# Altium PCB PCB1.pcbdoc (part 3 of 4)
Units mm, origin at the board's own origin, x right, y up, seen from the top; angles counter-clockwise.
Board outline 94.87 x 122.94 mm, 4 copper layers (Top Layer, Inner1, Inner2, Bottom Layer); 129 components, 127 nets, 713 pads, 345 vias.
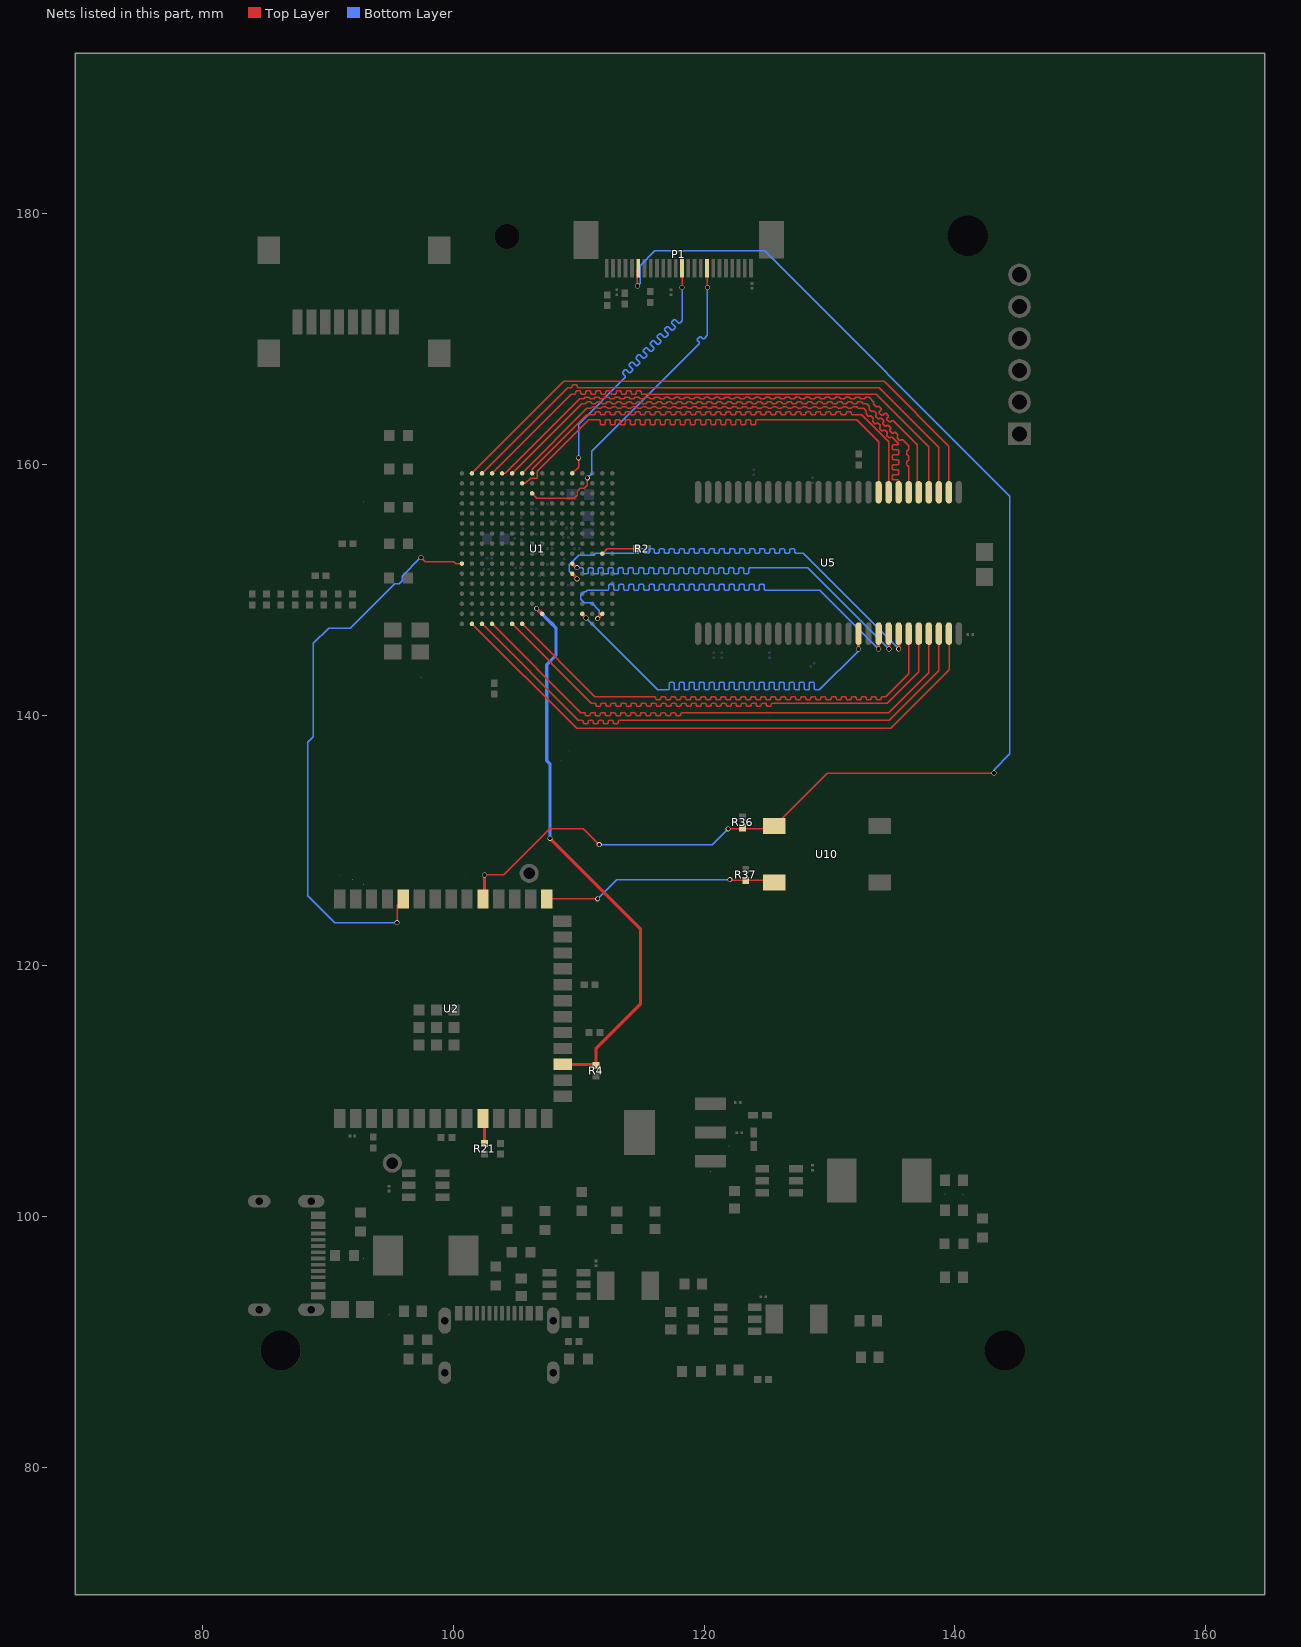
[diagram p5: the nets of this part, all layers, seen from the top]

## Via types
v1: diameter 0.4, hole 0.3, Top Layer to Bottom Layer, 308 vias
v2: diameter 1, hole 0.5, Top Layer to Bottom Layer, 35 vias
v3: diameter 0.5, hole 0.3, Top Layer to Bottom Layer, 2 vias

## Nets (pads, with @x,y where several pads share a name; then routed paths per layer and width w, separated by ;. In a path a pad name is that pad's centre, name@x,y a point inside that pad or via, vN(x,y) a via of type N, cw(c..) or ccw(c..) an arc to the next point about the centre after c; other vN are vias at no path point) (continued)
MCLK: P1.13 U1.A12 | length 27.1
  Top Layer w0.1: U1.A12@109.48,159.289 109.982,159.791 v1(109.982,160.528) ; v1(118.237,174.117) P1.13@118.237,175.655
  Bottom Layer w0.1: v1(109.982,160.528) 109.982,163.195 113.727,166.94 113.727,167.04 113.496,167.271 113.496,167.371 113.679,167.554 113.779,167.554 114.01,167.323 114.11,167.323 114.293,167.506 114.293,167.606 114.012,167.887 114.012,167.987 114.195,168.17 114.295,168.17 114.576,167.889 114.676,167.889 114.858,168.071 114.858,168.171 114.577,168.452 114.577,168.552 114.76,168.735 114.86,168.735 115.141,168.454 115.241,168.454 115.424,168.637 115.424,168.737 115.143,169.018 115.143,169.118 115.326,169.301 115.426,169.301 115.707,169.02 115.807,169.02 115.99,169.203 115.99,169.303 115.709,169.584 115.709,169.684 115.892,169.867 115.992,169.867 116.273,169.586 116.373,169.586 116.555,169.768 116.555,169.868 116.274,170.149 116.274,170.249 116.457,170.432 116.557,170.432 116.838,170.151 116.938,170.151 117.121,170.334 117.121,170.434 116.84,170.715 116.84,170.815 117.023,170.998 117.123,170.998 117.404,170.717 117.504,170.717 117.687,170.9 117.687,171 117.406,171.281 117.406,171.381 117.589,171.564 117.689,171.564 117.97,171.283 118.07,171.283 118.237,171.45 v1(118.237,174.117)
PCLK: P1.17 U1.C8 | length 27
  Top Layer w0.1: U1.C8@106.28,157.689 106.662,157.307 109.638,157.307 109.862,157.531 109.862,157.847 110.122,158.107 110.438,158.107 110.662,158.331 110.662,158.647 110.68,158.665 v1(110.68,158.937) ; P1.17@120.237,175.656 120.269,175.624 v1(120.269,174.117)
  Bottom Layer w0.1: v1(110.68,158.937) 111.019,159.276 111.019,161.057 119.609,169.647 119.609,169.747 119.455,169.901 119.455,170.001 119.637,170.183 119.737,170.183 119.891,170.029 119.991,170.029 120.269,170.307 v1(120.269,174.117)
PROGRAM: R37.1 U2.27 U10.3 | length 18.9
  Top Layer w0.1: U2.27@107.437,125.336 111.493,125.336 v1(111.506,125.349) ; v1(122.047,126.873) 122.099,126.821 R37.1@123.317,126.821 125.428,126.821 U10.3@125.594,126.655
  Bottom Layer w0.1: v1(111.506,125.349) 113.03,126.873 v1(122.047,126.873)
PROGRAMN: pad.55@107.442,136.377 R4.2 U1.R9 U2.17 | length 45.1
  Top Layer w0.254: v1(106.643,148.5) 106.669,148.5 U1.R9@107.08,148.089 ; v1(107.696,130.175) 114.935,122.936 114.935,116.984 111.379,113.428 R4.2@111.379,112.066 111.304,112.141 U2.17@108.844,112.141
  Bottom Layer w0.254: v1(106.643,148.5) 108.175,146.968 108.175,144.758 107.442,144.025 pad.55@107.442,136.377 107.696,136.123 v1(107.696,130.175)
RESET: P1.6 R36.1 U2.31 U10.1 | length 110.8
  Top Layer w0.1: v1(102.484,127.254) 104.013,127.254 107.696,130.937 110.363,130.937 v1(111.633,129.667) ; v1(114.681,174.244) 114.681,175.599 P1.6@114.738,175.655 ; v1(121.92,130.937) 125.376,130.937 U10.1@125.594,131.155 129.821,135.382 v1(143.129,135.382)
  Top Layer w0.254: U2.31@102.484,125.336 v1(102.484,127.254)
  Bottom Layer w0.1: v1(111.633,129.667) 120.65,129.667 v1(121.92,130.937) ; v1(114.681,174.244) 114.907,174.47 114.907,175.867 116.078,177.038 124.841,177.038 144.399,157.48 144.399,136.906 143.129,135.636 v1(143.129,135.382)
RX: U1.K1 U2.36 | length 45.5
  Top Layer w0.1: v1(95.504,123.444) 95.504,124.833 U2.36@96.007,125.336 ; v1(97.41,152.582) 97.738,152.254 100.037,152.254 100.202,152.089 U1.K1@100.68,152.089
  Bottom Layer w0.1: v1(95.504,123.444) 90.551,123.444 88.392,125.603 88.392,137.831 88.832,138.271 88.832,145.728 90.043,146.939 91.767,146.939 95.302,150.474 95.671,150.474 95.906,150.709 95.906,151.078 v1(97.41,152.582)
SCL: R21.1 U2.10 | length 1.9
  Top Layer w0.254: U2.10@102.484,107.836 102.489,107.831 R21.1@102.489,105.918
SD_A0: U1.T6 U5.23 | length 45.3
  Top Layer w0.1: U1.T6@104.68,147.289 110.999,140.97 111.299,140.97 111.37,140.899 111.37,140.787 111.44,140.716 111.699,140.716 111.77,140.787 111.77,140.899 111.84,140.97 112.099,140.97 112.17,140.899 112.17,140.787 112.24,140.716 112.499,140.716 112.57,140.787 112.57,140.899 112.64,140.97 112.899,140.97 112.97,140.899 112.97,140.787 113.04,140.716 113.299,140.716 113.37,140.787 113.37,140.899 113.44,140.97 113.699,140.97 113.77,140.899 113.77,140.787 113.84,140.716 114.099,140.716 114.17,140.787 114.17,140.899 114.24,140.97 114.499,140.97 114.57,140.899 114.57,140.787 114.64,140.716 114.899,140.716 114.97,140.787 114.97,140.899 115.04,140.97 115.299,140.97 115.37,140.899 115.37,140.787 115.44,140.716 115.699,140.716 115.77,140.787 115.77,140.899 115.84,140.97 116.099,140.97 116.17,140.899 116.17,140.787 116.24,140.716 116.499,140.716 116.57,140.787 116.57,140.899 116.64,140.97 116.899,140.97 116.97,140.899 116.97,140.787 117.04,140.716 117.299,140.716 117.37,140.787 117.37,140.899 117.44,140.97 117.699,140.97 117.77,140.899 117.77,140.787 117.84,140.716 118.099,140.716 118.17,140.787 118.17,140.899 118.24,140.97 118.499,140.97 118.57,140.899 118.57,140.787 118.64,140.716 118.899,140.716 118.97,140.787 118.97,140.899 119.04,140.97 119.299,140.97 119.37,140.899 119.37,140.787 119.44,140.716 119.699,140.716 119.77,140.787 119.77,140.899 119.84,140.97 120.099,140.97 120.17,140.899 120.17,140.787 120.24,140.716 120.499,140.716 120.57,140.787 120.57,140.899 120.64,140.97 120.899,140.97 120.97,140.899 120.97,140.787 121.04,140.716 121.299,140.716 121.37,140.787 121.37,140.899 121.44,140.97 121.699,140.97 121.77,140.899 121.77,140.787 121.84,140.716 122.099,140.716 122.17,140.787 122.17,140.899 122.24,140.97 122.499,140.97 122.57,140.899 122.57,140.787 122.64,140.716 122.899,140.716 122.97,140.787 122.97,140.899 123.04,140.97 123.299,140.97 123.37,140.899 123.37,140.787 123.44,140.716 123.699,140.716 123.77,140.787 123.77,140.899 123.84,140.97 124.099,140.97 124.17,140.899 124.17,140.787 124.24,140.716 124.499,140.716 124.57,140.787 124.57,140.899 124.64,140.97 124.899,140.97 124.97,140.899 124.97,140.787 125.04,140.716 125.299,140.716 125.37,140.787 125.37,140.899 125.44,140.97 134.62,140.97 137.121,143.471 U5.23@137.121,146.504
SD_A1: U1.T4 U5.24 | length 45.6
  Top Layer w0.1: U1.T4@103.08,147.289 110.161,140.208 110.461,140.208 110.532,140.137 110.532,140.025 110.602,139.954 110.861,139.954 110.932,140.025 110.932,140.137 111.002,140.208 111.261,140.208 111.332,140.137 111.332,140.025 111.402,139.954 111.661,139.954 111.732,140.025 111.732,140.137 111.802,140.208 112.061,140.208 112.132,140.137 112.132,140.025 112.202,139.954 112.461,139.954 112.532,140.025 112.532,140.137 112.602,140.208 112.861,140.208 112.932,140.137 112.932,140.025 113.002,139.954 113.261,139.954 113.332,140.025 113.332,140.137 113.402,140.208 113.661,140.208 113.732,140.137 113.732,140.025 113.802,139.954 114.061,139.954 114.132,140.025 114.132,140.137 114.202,140.208 114.461,140.208 114.532,140.137 114.532,140.025 114.602,139.954 114.861,139.954 114.932,140.025 114.932,140.137 115.002,140.208 115.261,140.208 115.332,140.137 115.332,140.025 115.402,139.954 115.661,139.954 115.732,140.025 115.732,140.137 115.802,140.208 116.061,140.208 116.132,140.137 116.132,140.025 116.202,139.954 116.461,139.954 116.532,140.025 116.532,140.137 116.602,140.208 116.861,140.208 116.932,140.137 116.932,140.025 117.002,139.954 117.261,139.954 117.332,140.025 117.332,140.137 117.402,140.208 117.661,140.208 117.732,140.137 117.732,140.025 117.802,139.954 118.061,139.954 118.132,140.025 118.132,140.137 118.202,140.208 134.747,140.208 137.922,143.383 U5.24@137.922,146.503
SD_A2: U1.T3 U5.25 | length 45.9
  Top Layer w0.1: U1.T3@102.28,147.289 109.959,139.61 110.282,139.61 110.353,139.539 110.353,139.39 110.423,139.319 110.682,139.319 110.753,139.39 110.753,139.539 110.823,139.61 111.082,139.61 111.153,139.539 111.153,139.39 111.223,139.319 111.482,139.319 111.553,139.39 111.553,139.539 111.623,139.61 111.882,139.61 111.953,139.539 111.953,139.39 112.023,139.319 112.282,139.319 112.353,139.39 112.353,139.539 112.423,139.61 112.682,139.61 112.753,139.539 112.753,139.39 112.823,139.319 113.082,139.319 113.153,139.39 113.153,139.539 113.223,139.61 134.784,139.61 138.721,143.547 U5.25@138.721,146.504
SD_A3: U1.T2 U5.26 | length 46.4
  Top Layer w0.1: U1.T2@101.48,147.289 109.831,138.938 134.874,138.938 139.573,143.637 139.573,146.452 U5.26@139.521,146.504
SD_A4: U1.A2 U5.29 | length 46.9
  Top Layer w0.1: U1.A2@101.48,159.289 108.815,166.624 134.366,166.624 139.521,161.469 U5.29@139.521,157.788
SD_A5: U1.A3 U5.30 | length 45.2
  Top Layer w0.1: U1.A3@102.28,159.289 109.107,166.116 109.407,166.116 109.478,166.187 109.478,166.299 109.548,166.37 109.807,166.37 109.878,166.299 109.878,166.187 109.948,166.116 133.985,166.116 138.721,161.38 U5.30@138.721,157.788
SD_A6: U1.A4 U5.31 | length 45.2
  Top Layer w0.1: U1.A4@103.08,159.289 109.399,165.608 109.699,165.608 109.77,165.679 109.77,165.791 109.84,165.862 110.099,165.862 110.17,165.791 110.17,165.679 110.24,165.608 110.499,165.608 110.57,165.679 110.57,165.791 110.64,165.862 110.899,165.862 110.97,165.791 110.97,165.679 111.04,165.608 111.299,165.608 111.37,165.679 111.37,165.791 111.44,165.862 111.699,165.862 111.77,165.791 111.77,165.679 111.84,165.608 112.099,165.608 112.17,165.679 112.17,165.791 112.24,165.862 112.499,165.862 112.57,165.791 112.57,165.679 112.64,165.608 112.899,165.608 112.97,165.679 112.97,165.791 113.04,165.862 113.299,165.862 113.37,165.791 113.37,165.679 113.44,165.608 113.699,165.608 113.77,165.679 113.77,165.791 113.84,165.862 114.099,165.862 114.17,165.791 114.17,165.679 114.24,165.608 114.499,165.608 114.57,165.679 114.57,165.791 114.64,165.862 114.899,165.862 114.97,165.791 114.97,165.679 115.04,165.608 133.731,165.608 137.921,161.418 U5.31@137.921,157.788
SD_A7: U1.A5 U5.32 | length 45.1
  Top Layer w0.1: U1.A5@103.88,159.289 104.14,159.289 110.078,165.227 110.378,165.227 110.505,165.354 110.778,165.354 110.905,165.227 111.178,165.227 111.305,165.354 111.578,165.354 111.705,165.227 111.978,165.227 112.105,165.354 112.378,165.354 112.505,165.227 112.778,165.227 112.905,165.354 113.178,165.354 113.305,165.227 113.578,165.227 113.705,165.354 113.978,165.354 114.105,165.227 114.378,165.227 114.505,165.354 114.778,165.354 114.905,165.227 115.178,165.227 115.305,165.354 115.578,165.354 115.705,165.227 115.978,165.227 116.105,165.354 116.378,165.354 116.505,165.227 116.778,165.227 116.905,165.354 117.178,165.354 117.305,165.227 117.578,165.227 117.705,165.354 117.978,165.354 118.105,165.227 118.378,165.227 118.505,165.354 118.778,165.354 118.905,165.227 119.178,165.227 119.305,165.354 119.578,165.354 119.705,165.227 119.978,165.227 120.105,165.354 120.378,165.354 120.505,165.227 120.778,165.227 120.905,165.354 121.178,165.354 121.305,165.227 121.578,165.227 121.705,165.354 121.978,165.354 122.105,165.227 122.378,165.227 122.505,165.354 122.778,165.354 122.905,165.227 123.178,165.227 123.305,165.354 123.578,165.354 123.705,165.227 123.978,165.227 124.105,165.354 124.378,165.354 124.505,165.227 124.778,165.227 124.905,165.354 125.178,165.354 125.305,165.227 125.578,165.227 125.705,165.354 125.978,165.354 126.105,165.227 126.378,165.227 126.505,165.354 126.778,165.354 126.905,165.227 127.178,165.227 127.305,165.354 127.578,165.354 127.705,165.227 127.978,165.227 128.105,165.354 128.378,165.354 128.505,165.227 128.778,165.227 128.905,165.354 129.178,165.354 129.305,165.227 129.578,165.227 129.705,165.354 129.978,165.354 130.105,165.227 130.378,165.227 130.505,165.354 130.778,165.354 130.905,165.227 131.178,165.227 131.305,165.354 131.578,165.354 131.705,165.227 131.978,165.227 132.105,165.354 132.378,165.354 132.505,165.227 132.778,165.227 132.905,165.354 133.178,165.354 133.55,164.982 133.55,164.803 133.733,164.62 133.833,164.62 133.845,164.632 133.945,164.632 134.128,164.449 134.128,164.349 133.974,164.195 133.974,164.095 134.156,163.912 134.256,163.912 134.411,164.066 134.511,164.066 134.694,163.883 134.694,163.783 134.588,163.678 134.588,163.578 134.771,163.395 134.871,163.395 134.976,163.501 135.076,163.501 136.994,161.583 136.994,157.915 U5.32@137.121,157.788
SD_A8: U1.A6 U5.33 | length 44.4
  Top Layer w0.1: U1.A6@104.68,159.289 110.237,164.846 110.537,164.846 110.608,164.917 110.608,164.927 110.678,164.998 110.937,164.998 111.008,164.927 111.008,164.917 111.078,164.846 111.337,164.846 111.408,164.917 111.408,164.927 111.478,164.998 111.737,164.998 111.808,164.927 111.808,164.917 111.878,164.846 112.137,164.846 112.208,164.917 112.208,164.927 112.278,164.998 112.537,164.998 112.608,164.927 112.608,164.917 112.678,164.846 112.937,164.846 113.008,164.917 113.008,164.927 113.078,164.998 113.337,164.998 113.408,164.927 113.408,164.917 113.478,164.846 113.737,164.846 113.808,164.917 113.808,164.927 113.878,164.998 114.137,164.998 114.208,164.927 114.208,164.917 114.278,164.846 114.537,164.846 114.608,164.917 114.608,164.927 114.678,164.998 114.937,164.998 115.008,164.927 115.008,164.917 115.078,164.846 115.337,164.846 115.408,164.917 115.408,164.927 115.478,164.998 115.737,164.998 115.808,164.927 115.808,164.917 115.878,164.846 116.137,164.846 116.208,164.917 116.208,164.927 116.278,164.998 116.537,164.998 116.608,164.927 116.608,164.917 116.678,164.846 116.937,164.846 117.008,164.917 117.008,164.927 117.078,164.998 117.337,164.998 117.408,164.927 117.408,164.917 117.478,164.846 117.737,164.846 117.808,164.917 117.808,164.927 117.878,164.998 118.137,164.998 118.208,164.927 118.208,164.917 118.278,164.846 118.537,164.846 118.608,164.917 118.608,164.927 118.678,164.998 118.937,164.998 119.008,164.927 119.008,164.917 119.078,164.846 119.337,164.846 119.408,164.917 119.408,164.927 119.478,164.998 119.737,164.998 119.808,164.927 119.808,164.917 119.878,164.846 120.137,164.846 120.208,164.917 120.208,164.927 120.278,164.998 120.537,164.998 120.608,164.927 120.608,164.917 120.678,164.846 120.937,164.846 121.008,164.917 121.008,164.927 121.078,164.998 121.337,164.998 121.408,164.927 121.408,164.917 121.478,164.846 121.737,164.846 121.808,164.917 121.808,164.927 121.878,164.998 122.137,164.998 122.208,164.927 122.208,164.917 122.278,164.846 122.537,164.846 122.608,164.917 122.608,164.927 122.678,164.998 122.937,164.998 123.008,164.927 123.008,164.917 123.078,164.846 123.337,164.846 123.408,164.917 123.408,164.927 123.478,164.998 123.737,164.998 123.808,164.927 123.808,164.917 123.878,164.846 124.137,164.846 124.208,164.917 124.208,164.927 124.278,164.998 124.537,164.998 124.608,164.927 124.608,164.917 124.678,164.846 124.937,164.846 125.008,164.917 125.008,164.927 125.078,164.998 125.337,164.998 125.408,164.927 125.408,164.917 125.478,164.846 125.737,164.846 125.808,164.917 125.808,164.927 125.878,164.998 126.137,164.998 126.208,164.927 126.208,164.917 126.278,164.846 126.537,164.846 126.608,164.917 126.608,164.927 126.678,164.998 126.937,164.998 127.008,164.927 127.008,164.917 127.078,164.846 127.337,164.846 127.408,164.917 127.408,164.927 127.478,164.998 127.737,164.998 127.808,164.927 127.808,164.917 127.878,164.846 128.137,164.846 128.208,164.917 128.208,164.927 128.278,164.998 128.537,164.998 128.608,164.927 128.608,164.917 128.678,164.846 128.937,164.846 129.008,164.917 129.008,164.927 129.078,164.998 129.337,164.998 129.408,164.927 129.408,164.917 129.478,164.846 129.737,164.846 129.808,164.917 129.808,164.927 129.878,164.998 130.137,164.998 130.208,164.927 130.208,164.917 130.278,164.846 130.537,164.846 130.608,164.917 130.608,164.927 130.678,164.998 130.937,164.998 131.008,164.927 131.008,164.917 131.078,164.846 131.337,164.846 131.408,164.917 131.408,164.927 131.478,164.998 131.737,164.998 131.808,164.927 131.808,164.917 131.878,164.846 132.137,164.846 132.208,164.917 132.208,164.927 132.278,164.998 132.537,164.998 132.608,164.927 132.608,164.917 132.678,164.846 132.969,164.846 133.181,164.634 133.181,164.534 133.169,164.522 133.169,164.422 133.352,164.239 133.452,164.239 133.464,164.251 133.564,164.251 133.747,164.068 133.747,163.968 133.691,163.913 133.691,163.813 133.874,163.63 133.974,163.63 134.03,163.685 134.13,163.685 134.313,163.502 134.313,163.402 134.257,163.347 134.257,163.247 134.44,163.064 134.54,163.064 134.595,163.12 134.695,163.12 134.878,162.937 134.878,162.837 134.823,162.781 134.823,162.681 135.006,162.499 135.106,162.499 135.161,162.554 135.261,162.554 135.444,162.371 135.444,162.271 135.397,162.225 135.397,162.125 135.58,161.942 135.68,161.942 135.727,161.988 135.827,161.988 136.321,161.494 136.321,161.194 136.25,161.123 136.233,161.123 136.162,161.053 136.162,160.794 136.233,160.723 136.25,160.723 136.321,160.653 136.321,160.353 136.25,160.282 136.233,160.282 136.162,160.211 136.162,159.953 136.233,159.882 136.25,159.882 136.321,159.811 U5.33@136.321,157.788
SD_A9: U1.A7 U5.34 | length 45.4
  Top Layer w0.1: U1.A7@105.48,159.289 110.656,164.465 110.956,164.465 111.027,164.536 111.027,164.546 111.098,164.617 111.356,164.617 111.427,164.546 111.427,164.536 111.498,164.465 111.756,164.465 111.827,164.536 111.827,164.546 111.898,164.617 112.156,164.617 112.227,164.546 112.227,164.536 112.298,164.465 112.556,164.465 112.627,164.536 112.627,164.546 112.698,164.617 112.956,164.617 113.027,164.546 113.027,164.536 113.098,164.465 113.356,164.465 113.427,164.536 113.427,164.546 113.498,164.617 113.756,164.617 113.827,164.546 113.827,164.536 113.898,164.465 114.156,164.465 114.227,164.536 114.227,164.546 114.298,164.617 114.556,164.617 114.627,164.546 114.627,164.536 114.698,164.465 114.956,164.465 115.027,164.536 115.027,164.546 115.098,164.617 115.356,164.617 115.427,164.546 115.427,164.536 115.498,164.465 115.756,164.465 115.827,164.536 115.827,164.546 115.898,164.617 116.156,164.617 116.227,164.546 116.227,164.536 116.298,164.465 116.556,164.465 116.627,164.536 116.627,164.546 116.698,164.617 116.956,164.617 117.027,164.546 117.027,164.536 117.098,164.465 117.356,164.465 117.427,164.536 117.427,164.546 117.498,164.617 117.756,164.617 117.827,164.546 117.827,164.536 117.898,164.465 118.156,164.465 118.227,164.536 118.227,164.546 118.298,164.617 118.556,164.617 118.627,164.546 118.627,164.536 118.698,164.465 118.956,164.465 119.027,164.536 119.027,164.546 119.098,164.617 119.356,164.617 119.427,164.546 119.427,164.536 119.498,164.465 119.756,164.465 119.827,164.536 119.827,164.546 119.898,164.617 120.156,164.617 120.227,164.546 120.227,164.536 120.298,164.465 120.556,164.465 120.627,164.536 120.627,164.546 120.698,164.617 120.956,164.617 121.027,164.546 121.027,164.536 121.098,164.465 121.356,164.465 121.427,164.536 121.427,164.546 121.498,164.617 121.756,164.617 121.827,164.546 121.827,164.536 121.898,164.465 122.156,164.465 122.227,164.536 122.227,164.546 122.298,164.617 122.556,164.617 122.627,164.546 122.627,164.536 122.698,164.465 122.956,164.465 123.027,164.536 123.027,164.546 123.098,164.617 123.356,164.617 123.427,164.546 123.427,164.536 123.498,164.465 123.756,164.465 123.827,164.536 123.827,164.546 123.898,164.617 124.156,164.617 124.227,164.546 124.227,164.536 124.298,164.465 124.556,164.465 124.627,164.536 124.627,164.546 124.698,164.617 124.956,164.617 125.027,164.546 125.027,164.536 125.098,164.465 125.356,164.465 125.427,164.536 125.427,164.546 125.498,164.617 125.756,164.617 125.827,164.546 125.827,164.536 125.898,164.465 126.156,164.465 126.227,164.536 126.227,164.546 126.298,164.617 126.556,164.617 126.627,164.546 126.627,164.536 126.698,164.465 126.956,164.465 127.027,164.536 127.027,164.546 127.098,164.617 127.356,164.617 127.427,164.546 127.427,164.536 127.498,164.465 127.756,164.465 127.827,164.536 127.827,164.546 127.898,164.617 128.156,164.617 128.227,164.546 128.227,164.536 128.298,164.465 128.556,164.465 128.627,164.536 128.627,164.546 128.698,164.617 128.956,164.617 129.027,164.546 129.027,164.536 129.098,164.465 129.356,164.465 129.427,164.536 129.427,164.546 129.498,164.617 129.756,164.617 129.827,164.546 129.827,164.536 129.898,164.465 130.156,164.465 130.227,164.536 130.227,164.546 130.298,164.617 130.556,164.617 130.627,164.546 130.627,164.536 130.698,164.465 130.956,164.465 131.027,164.536 131.027,164.546 131.098,164.617 131.356,164.617 131.427,164.546 131.427,164.536 131.498,164.465 131.756,164.465 131.827,164.536 131.827,164.546 131.898,164.617 132.156,164.617 132.227,164.546 132.227,164.536 132.298,164.465 132.715,164.465 132.927,164.253 132.927,164.153 132.915,164.141 132.915,164.041 133.098,163.858 133.198,163.858 133.21,163.87 133.31,163.87 133.493,163.687 133.493,163.587 133.437,163.532 133.437,163.432 133.62,163.249 133.72,163.249 133.776,163.304 133.876,163.304 134.059,163.121 134.059,163.021 134.003,162.966 134.003,162.866 134.186,162.683 134.286,162.683 134.341,162.739 134.441,162.739 134.624,162.556 134.624,162.456 134.569,162.4 134.569,162.3 134.752,162.118 134.852,162.118 134.907,162.173 135.007,162.173 135.521,161.659 135.521,161.651 135.45,161.58 135.072,161.58 135.001,161.51 135.001,161.251 135.072,161.18 135.45,161.18 135.521,161.11 135.521,160.851 135.45,160.78 135.072,160.78 135.001,160.71 135.001,160.451 135.072,160.38 135.45,160.38 135.521,160.31 135.521,160.051 135.45,159.98 135.072,159.98 135.001,159.91 135.001,159.651 135.072,159.58 135.45,159.58 135.521,159.51 135.521,159.251 135.45,159.18 135.072,159.18 135.001,159.11 135.001,158.851 135.072,158.78 135.45,158.78 135.521,158.71 U5.34@135.521,157.788
SD_A10: U1.T7 U5.22 | length 45.1
  Top Layer w0.1: U1.T7@105.48,147.289 111.291,141.478 116.052,141.478 116.122,141.407 116.122,141.295 116.193,141.224 116.452,141.224 116.522,141.295 116.522,141.407 116.593,141.478 116.852,141.478 116.922,141.407 116.922,141.295 116.993,141.224 117.252,141.224 117.322,141.295 117.322,141.407 117.393,141.478 117.652,141.478 117.722,141.407 117.722,141.295 117.793,141.224 118.052,141.224 118.122,141.295 118.122,141.407 118.193,141.478 118.452,141.478 118.522,141.407 118.522,141.295 118.593,141.224 118.852,141.224 118.922,141.295 118.922,141.407 118.993,141.478 119.252,141.478 119.322,141.407 119.322,141.295 119.393,141.224 119.652,141.224 119.722,141.295 119.722,141.407 119.793,141.478 120.052,141.478 120.122,141.407 120.122,141.295 120.193,141.224 120.452,141.224 120.522,141.295 120.522,141.407 120.593,141.478 120.852,141.478 120.922,141.407 120.922,141.295 120.993,141.224 121.252,141.224 121.322,141.295 121.322,141.407 121.393,141.478 121.652,141.478 121.722,141.407 121.722,141.295 121.793,141.224 122.052,141.224 122.122,141.295 122.122,141.407 122.193,141.478 122.452,141.478 122.522,141.407 122.522,141.295 122.593,141.224 122.852,141.224 122.922,141.295 122.922,141.407 122.993,141.478 123.252,141.478 123.322,141.407 123.322,141.295 123.393,141.224 123.652,141.224 123.722,141.295 123.722,141.407 123.793,141.478 124.052,141.478 124.122,141.407 124.122,141.295 124.193,141.224 124.452,141.224 124.522,141.295 124.522,141.407 124.593,141.478 124.852,141.478 124.922,141.407 124.922,141.295 124.993,141.224 125.252,141.224 125.322,141.295 125.322,141.407 125.393,141.478 125.652,141.478 125.722,141.407 125.722,141.295 125.793,141.224 126.052,141.224 126.122,141.295 126.122,141.407 126.193,141.478 126.452,141.478 126.522,141.407 126.522,141.295 126.593,141.224 126.852,141.224 126.922,141.295 126.922,141.407 126.993,141.478 127.252,141.478 127.322,141.407 127.322,141.295 127.393,141.224 127.652,141.224 127.722,141.295 127.722,141.407 127.793,141.478 128.052,141.478 128.122,141.407 128.122,141.295 128.193,141.224 128.452,141.224 128.522,141.295 128.522,141.407 128.593,141.478 128.852,141.478 128.922,141.407 128.922,141.295 128.993,141.224 129.252,141.224 129.322,141.295 129.322,141.407 129.393,141.478 129.652,141.478 129.722,141.407 129.722,141.295 129.793,141.224 130.052,141.224 130.122,141.295 130.122,141.407 130.193,141.478 130.452,141.478 130.522,141.407 130.522,141.295 130.593,141.224 130.852,141.224 130.922,141.295 130.922,141.407 130.993,141.478 131.252,141.478 131.322,141.407 131.322,141.295 131.393,141.224 131.652,141.224 131.722,141.295 131.722,141.407 131.793,141.478 132.052,141.478 132.122,141.407 132.122,141.295 132.193,141.224 132.452,141.224 132.522,141.295 132.522,141.407 132.593,141.478 132.852,141.478 132.922,141.407 132.922,141.295 132.993,141.224 133.252,141.224 133.322,141.295 133.322,141.407 133.393,141.478 133.652,141.478 133.722,141.407 133.722,141.295 133.793,141.224 134.052,141.224 134.122,141.295 134.122,141.407 134.193,141.478 134.493,141.478 136.321,143.306 U5.22@136.321,146.504
SD_A11: U1.A8 U5.35 | length 44.4
  Top Layer w0.1: U1.A8@106.28,159.289 106.28,159.62 110.617,163.957 111.248,163.957 111.319,164.028 111.319,164.14 111.389,164.211 111.648,164.211 111.719,164.14 111.719,164.028 111.789,163.957 112.048,163.957 112.119,164.028 112.119,164.14 112.189,164.211 112.448,164.211 112.519,164.14 112.519,164.028 112.589,163.957 112.848,163.957 112.919,164.028 112.919,164.14 112.989,164.211 113.248,164.211 113.319,164.14 113.319,164.028 113.389,163.957 113.648,163.957 113.719,164.028 113.719,164.14 113.789,164.211 114.048,164.211 114.119,164.14 114.119,164.028 114.189,163.957 114.448,163.957 114.519,164.028 114.519,164.14 114.589,164.211 114.848,164.211 114.919,164.14 114.919,164.028 114.989,163.957 115.248,163.957 115.319,164.028 115.319,164.14 115.389,164.211 115.648,164.211 115.719,164.14 115.719,164.028 115.789,163.957 116.048,163.957 116.119,164.028 116.119,164.14 116.189,164.211 116.448,164.211 116.519,164.14 116.519,164.028 116.589,163.957 116.848,163.957 116.919,164.028 116.919,164.14 116.989,164.211 117.248,164.211 117.319,164.14 117.319,164.028 117.389,163.957 117.648,163.957 117.719,164.028 117.719,164.14 117.789,164.211 118.048,164.211 118.119,164.14 118.119,164.028 118.189,163.957 118.448,163.957 118.519,164.028 118.519,164.14 118.589,164.211 118.848,164.211 118.919,164.14 118.919,164.028 118.989,163.957 119.248,163.957 119.319,164.028 119.319,164.14 119.389,164.211 119.648,164.211 119.719,164.14 119.719,164.028 119.789,163.957 120.048,163.957 120.119,164.028 120.119,164.14 120.189,164.211 120.448,164.211 120.519,164.14 120.519,164.028 120.589,163.957 120.848,163.957 120.919,164.028 120.919,164.14 120.989,164.211 121.248,164.211 121.319,164.14 121.319,164.028 121.389,163.957 121.648,163.957 121.719,164.028 121.719,164.14 121.789,164.211 122.048,164.211 122.119,164.14 122.119,164.028 122.189,163.957 122.448,163.957 122.519,164.028 122.519,164.14 122.589,164.211 122.848,164.211 122.919,164.14 122.919,164.028 122.989,163.957 123.248,163.957 123.319,164.028 123.319,164.14 123.389,164.211 123.648,164.211 123.719,164.14 123.719,164.028 123.789,163.957 124.048,163.957 124.119,164.028 124.119,164.14 124.189,164.211 124.448,164.211 124.519,164.14 124.519,164.028 124.589,163.957 124.848,163.957 124.919,164.028 124.919,164.14 124.989,164.211 125.248,164.211 125.319,164.14 125.319,164.028 125.389,163.957 125.648,163.957 125.719,164.028 125.719,164.14 125.789,164.211 126.048,164.211 126.119,164.14 126.119,164.028 126.189,163.957 126.448,163.957 126.519,164.028 126.519,164.14 126.589,164.211 126.848,164.211 126.919,164.14 126.919,164.028 126.989,163.957 127.248,163.957 127.319,164.028 127.319,164.14 127.389,164.211 127.648,164.211 127.719,164.14 127.719,164.028 127.789,163.957 128.048,163.957 128.119,164.028 128.119,164.14 128.189,164.211 128.448,164.211 128.519,164.14 128.519,164.028 128.589,163.957 128.848,163.957 128.919,164.028 128.919,164.14 128.989,164.211 129.248,164.211 129.319,164.14 129.319,164.028 129.389,163.957 129.648,163.957 129.719,164.028 129.719,164.14 129.789,164.211 130.048,164.211 130.119,164.14 130.119,164.028 130.189,163.957 130.448,163.957 130.519,164.028 130.519,164.14 130.589,164.211 130.848,164.211 130.919,164.14 130.919,164.028 130.989,163.957 131.248,163.957 131.319,164.028 131.319,164.14 131.389,164.211 131.648,164.211 131.719,164.14 131.719,164.028 131.789,163.957 132.588,163.957 134.721,161.824 U5.35@134.721,157.788
SD_A12: U1.B7 U5.36 | length 45.1
  Top Layer w0.1: U1.B7@105.48,158.489 105.74,158.489 106.158,158.907 106.673,158.907 106.698,158.932 106.698,159.447 110.8,163.549 111.64,163.549 111.711,163.478 111.711,163.239 111.781,163.168 112.04,163.168 112.111,163.239 112.111,163.478 112.181,163.549 112.44,163.549 112.511,163.478 112.511,163.239 112.581,163.168 112.84,163.168 112.911,163.239 112.911,163.478 112.981,163.549 113.24,163.549 113.311,163.478 113.311,163.239 113.381,163.168 113.64,163.168 113.711,163.239 113.711,163.478 113.781,163.549 114.04,163.549 114.111,163.478 114.111,163.239 114.181,163.168 114.44,163.168 114.511,163.239 114.511,163.478 114.581,163.549 114.84,163.549 114.911,163.478 114.911,163.239 114.981,163.168 115.24,163.168 115.311,163.239 115.311,163.478 115.381,163.549 115.64,163.549 115.711,163.478 115.711,163.239 115.781,163.168 116.04,163.168 116.111,163.239 116.111,163.478 116.181,163.549 116.44,163.549 116.511,163.478 116.511,163.239 116.581,163.168 116.84,163.168 116.911,163.239 116.911,163.478 116.981,163.549 117.24,163.549 117.311,163.478 117.311,163.239 117.381,163.168 117.64,163.168 117.711,163.239 117.711,163.478 117.781,163.549 118.04,163.549 118.111,163.478 118.111,163.239 118.181,163.168 118.44,163.168 118.511,163.239 118.511,163.478 118.581,163.549 118.84,163.549 118.911,163.478 118.911,163.239 118.981,163.168 119.24,163.168 119.311,163.239 119.311,163.478 119.381,163.549 119.64,163.549 119.711,163.478 119.711,163.239 119.781,163.168 120.04,163.168 120.111,163.239 120.111,163.478 120.181,163.549 120.44,163.549 120.511,163.478 120.511,163.239 120.581,163.168 120.84,163.168 120.911,163.239 120.911,163.478 120.981,163.549 121.24,163.549 121.311,163.478 121.311,163.239 121.381,163.168 121.64,163.168 121.711,163.239 121.711,163.478 121.781,163.549 122.04,163.549 122.111,163.478 122.111,163.239 122.181,163.168 122.44,163.168 122.511,163.239 122.511,163.478 122.581,163.549 122.84,163.549 122.911,163.478 122.911,163.239 122.981,163.168 123.24,163.168 123.311,163.239 123.311,163.478 123.381,163.549 123.64,163.549 123.711,163.478 123.711,163.239 123.781,163.168 124.04,163.168 124.111,163.239 124.111,163.478 124.181,163.549 132.18,163.549 133.921,161.808 U5.36@133.921,157.788
SD_BA0: U1.K12 U5.20 | length 43.4
  Top Layer w0.254: U1.K12@109.48,152.089 109.806,151.763 v1(109.853,151.763) ; U5.20@134.721,146.504 134.747,146.478 v1(134.747,145.288)
  Bottom Layer w0.1: v1(109.853,151.763) 110.294,151.763 110.365,151.693 110.365,151.337 110.436,151.266 110.694,151.266 110.765,151.337 110.765,151.693 110.836,151.763 111.094,151.763 111.165,151.693 111.165,151.337 111.236,151.266 111.494,151.266 111.565,151.337 111.565,151.693 111.636,151.763 111.894,151.763 111.965,151.693 111.965,151.337 112.036,151.266 112.294,151.266 112.365,151.337 112.365,151.693 112.436,151.763 112.694,151.763 112.765,151.693 112.765,151.337 112.836,151.266 113.094,151.266 113.165,151.337 113.165,151.693 113.236,151.763 113.494,151.763 113.565,151.693 113.565,151.337 113.636,151.266 113.894,151.266 113.965,151.337 113.965,151.693 114.036,151.763 114.294,151.763 114.365,151.693 114.365,151.337 114.436,151.266 114.694,151.266 114.765,151.337 114.765,151.693 114.836,151.763 115.094,151.763 115.165,151.693 115.165,151.337 115.236,151.266 115.494,151.266 115.565,151.337 115.565,151.693 115.636,151.763 115.894,151.763 115.965,151.693 115.965,151.337 116.036,151.266 116.294,151.266 116.365,151.337 116.365,151.693 116.436,151.763 116.694,151.763 116.765,151.693 116.765,151.337 116.836,151.266 117.094,151.266 117.165,151.337 117.165,151.693 117.236,151.763 117.494,151.763 117.565,151.693 117.565,151.337 117.636,151.266 117.894,151.266 117.965,151.337 117.965,151.693 118.036,151.763 118.294,151.763 118.365,151.693 118.365,151.337 118.436,151.266 118.694,151.266 118.765,151.337 118.765,151.693 118.836,151.763 119.094,151.763 119.165,151.693 119.165,151.337 119.236,151.266 119.494,151.266 119.565,151.337 119.565,151.693 119.636,151.763 119.894,151.763 119.965,151.693 119.965,151.337 120.036,151.266 120.294,151.266 120.365,151.337 120.365,151.693 120.436,151.763 120.694,151.763 120.765,151.693 120.765,151.337 120.836,151.266 121.094,151.266 121.165,151.337 121.165,151.693 121.236,151.763 121.494,151.763 121.565,151.693 121.565,151.337 121.636,151.266 121.894,151.266 121.965,151.337 121.965,151.693 122.036,151.763 122.294,151.763 122.365,151.693 122.365,151.337 122.436,151.266 122.694,151.266 122.765,151.337 122.765,151.693 122.836,151.763 123.094,151.763 123.165,151.693 123.165,151.337 123.236,151.266 123.494,151.266 123.565,151.337 123.565,151.693 123.636,151.763 128.272,151.763 v1(134.747,145.288)
SD_BA1: U1.L12 U5.21 | length 42.5
  Top Layer w0.254: U1.L12@109.48,151.289 109.855,150.914 v1(109.855,150.876) ; v1(135.521,145.288) U5.21@135.521,146.504
  Bottom Layer w0.1: v1(109.855,150.876) 109.251,151.48 109.251,152.013 109.992,152.753 111.184,152.753 111.339,152.908 114.754,152.908 114.825,152.979 114.825,153.218 114.896,153.289 115.154,153.289 115.225,153.218 115.225,152.979 115.296,152.908 115.554,152.908 115.625,152.979 115.625,153.218 115.696,153.289 115.954,153.289 116.025,153.218 116.025,152.979 116.096,152.908 116.354,152.908 116.425,152.979 116.425,153.218 116.496,153.289 116.754,153.289 116.825,153.218 116.825,152.979 116.896,152.908 117.154,152.908 117.225,152.979 117.225,153.218 117.296,153.289 117.554,153.289 117.625,153.218 117.625,152.979 117.696,152.908 117.954,152.908 118.025,152.979 118.025,153.218 118.096,153.289 118.354,153.289 118.425,153.218 118.425,152.979 118.496,152.908 118.754,152.908 118.825,152.979 118.825,153.218 118.896,153.289 119.154,153.289 119.225,153.218 119.225,152.979 119.296,152.908 119.554,152.908 119.625,152.979 119.625,153.218 119.696,153.289 119.954,153.289 120.025,153.218 120.025,152.979 120.096,152.908 120.354,152.908 120.425,152.979 120.425,153.218 120.496,153.289 120.754,153.289 120.825,153.218 120.825,152.979 120.896,152.908 121.154,152.908 121.225,152.979 121.225,153.218 121.296,153.289 121.554,153.289 121.625,153.218 121.625,152.979 121.696,152.908 121.954,152.908 122.025,152.979 122.025,153.218 122.096,153.289 122.354,153.289 122.425,153.218 122.425,152.979 122.496,152.908 122.754,152.908 122.825,152.979 122.825,153.218 122.896,153.289 123.154,153.289 123.225,153.218 123.225,152.979 123.296,152.908 123.554,152.908 123.625,152.979 123.625,153.218 123.696,153.289 123.954,153.289 124.025,153.218 124.025,152.979 124.096,152.908 124.354,152.908 124.425,152.979 124.425,153.218 124.496,153.289 124.754,153.289 124.825,153.218 124.825,152.979 124.896,152.908 125.154,152.908 125.225,152.979 125.225,153.218 125.296,153.289 125.554,153.289 125.625,153.218 125.625,152.979 125.696,152.908 125.954,152.908 126.025,152.979 126.025,153.218 126.096,153.289 126.354,153.289 126.425,153.218 126.425,152.979 126.496,152.908 126.754,152.908 126.825,152.979 126.825,153.218 126.896,153.289 127.154,153.289 127.225,153.218 127.225,152.979 127.296,152.908 127.901,152.908 v1(135.521,145.288)
SD_CAS_N: U1.R13 U5.17 | length 43.1
  Top Layer w0.254: U1.R13@110.28,148.089 110.28,148.041 v1(110.569,147.753) ; v1(132.321,145.288) U5.17@132.321,146.504
  Bottom Layer w0.1: v1(110.569,147.753) 116.312,142.009 117.132,142.009 117.203,142.08 117.203,142.55 117.273,142.621 117.532,142.621 117.603,142.55 117.603,142.08 117.673,142.009 117.932,142.009 118.003,142.08 118.003,142.55 118.073,142.621 118.332,142.621 118.403,142.55 118.403,142.08 118.473,142.009 118.732,142.009 118.803,142.08 118.803,142.55 118.873,142.621 119.132,142.621 119.203,142.55 119.203,142.08 119.273,142.009 119.532,142.009 119.603,142.08 119.603,142.55 119.673,142.621 119.932,142.621 120.003,142.55 120.003,142.08 120.073,142.009 120.332,142.009 120.403,142.08 120.403,142.55 120.473,142.621 120.732,142.621 120.803,142.55 120.803,142.08 120.873,142.009 121.132,142.009 121.203,142.08 121.203,142.55 121.273,142.621 121.532,142.621 121.603,142.55 121.603,142.08 121.673,142.009 121.932,142.009 122.003,142.08 122.003,142.55 122.073,142.621 122.332,142.621 122.403,142.55 122.403,142.08 122.473,142.009 122.732,142.009 122.803,142.08 122.803,142.55 122.873,142.621 123.132,142.621 123.203,142.55 123.203,142.08 123.273,142.009 123.532,142.009 123.603,142.08 123.603,142.55 123.673,142.621 123.932,142.621 124.003,142.55 124.003,142.08 124.073,142.009 124.332,142.009 124.403,142.08 124.403,142.55 124.473,142.621 124.732,142.621 124.803,142.55 124.803,142.08 124.873,142.009 125.132,142.009 125.203,142.08 125.203,142.55 125.273,142.621 125.532,142.621 125.603,142.55 125.603,142.08 125.673,142.009 125.932,142.009 126.003,142.08 126.003,142.55 126.073,142.621 126.332,142.621 126.403,142.55 126.403,142.08 126.473,142.009 126.732,142.009 126.803,142.08 126.803,142.55 126.873,142.621 127.132,142.621 127.203,142.55 127.203,142.08 127.273,142.009 127.532,142.009 127.603,142.08 127.603,142.55 127.673,142.621 127.932,142.621 128.003,142.55 128.003,142.08 128.073,142.009 128.332,142.009 128.403,142.08 128.403,142.55 128.473,142.621 128.732,142.621 128.803,142.55 128.803,142.08 128.873,142.009 129.173,142.009 132.321,145.157 v1(132.321,145.288)
SD_CLK: R2.2 U1.J15 | length 2.9
  Top Layer w0.1: U1.J15@111.88,152.889 112.28,153.289 R2.2@114.629,153.289
SD_CS_N: U1.R15 U5.19 | length 43
  Top Layer w0.254: v1(111.506,147.701) 111.88,148.075 U1.R15@111.88,148.089 ; v1(133.921,145.288) U5.19@133.921,146.504
  Bottom Layer w0.1: v1(111.506,147.701) 111.633,147.701 111.633,148.336 111.019,148.95 110.45,148.95 110.138,149.262 110.138,149.55 110.419,149.831 110.546,149.831 110.673,149.958 112.333,149.958 112.403,150.029 112.403,150.358 112.474,150.429 112.733,150.429 112.803,150.358 112.803,150.029 112.874,149.958 113.133,149.958 113.203,150.029 113.203,150.358 113.274,150.429 113.533,150.429 113.603,150.358 113.603,150.029 113.674,149.958 113.933,149.958 114.003,150.029 114.003,150.358 114.074,150.429 114.333,150.429 114.403,150.358 114.403,150.029 114.474,149.958 114.733,149.958 114.803,150.029 114.803,150.358 114.874,150.429 115.133,150.429 115.203,150.358 115.203,150.029 115.274,149.958 115.533,149.958 115.603,150.029 115.603,150.358 115.674,150.429 115.933,150.429 116.003,150.358 116.003,150.029 116.074,149.958 116.333,149.958 116.403,150.029 116.403,150.358 116.474,150.429 116.733,150.429 116.803,150.358 116.803,150.029 116.874,149.958 117.133,149.958 117.203,150.029 117.203,150.358 117.274,150.429 117.533,150.429 117.603,150.358 117.603,150.029 117.674,149.958 117.933,149.958 118.003,150.029 118.003,150.358 118.074,150.429 118.333,150.429 118.403,150.358 118.403,150.029 118.474,149.958 118.733,149.958 118.803,150.029 118.803,150.358 118.874,150.429 119.133,150.429 119.203,150.358 119.203,150.029 119.274,149.958 119.533,149.958 119.603,150.029 119.603,150.358 119.674,150.429 119.933,150.429 120.003,150.358 120.003,150.029 120.074,149.958 120.333,149.958 120.403,150.029 120.403,150.358 120.474,150.429 120.733,150.429 120.803,150.358 120.803,150.029 120.874,149.958 121.133,149.958 121.203,150.029 121.203,150.358 121.274,150.429 121.533,150.429 121.603,150.358 121.603,150.029 121.674,149.958 121.933,149.958 122.003,150.029 122.003,150.358 122.074,150.429 122.333,150.429 122.403,150.358 122.403,150.029 122.474,149.958 122.733,149.958 122.803,150.029 122.803,150.358 122.874,150.429 123.133,150.429 123.203,150.358 123.203,150.029 123.274,149.958 123.533,149.958 123.603,150.029 123.603,150.358 123.674,150.429 123.933,150.429 124.003,150.358 124.003,150.029 124.074,149.958 124.333,149.958 124.403,150.029 124.403,150.358 124.474,150.429 124.733,150.429 124.803,150.358 124.803,150.029 124.874,149.958 129.23,149.958 133.773,145.415 133.794,145.415 v1(133.921,145.288)